# Allegro board balenaFin-PCB.brd (continued)
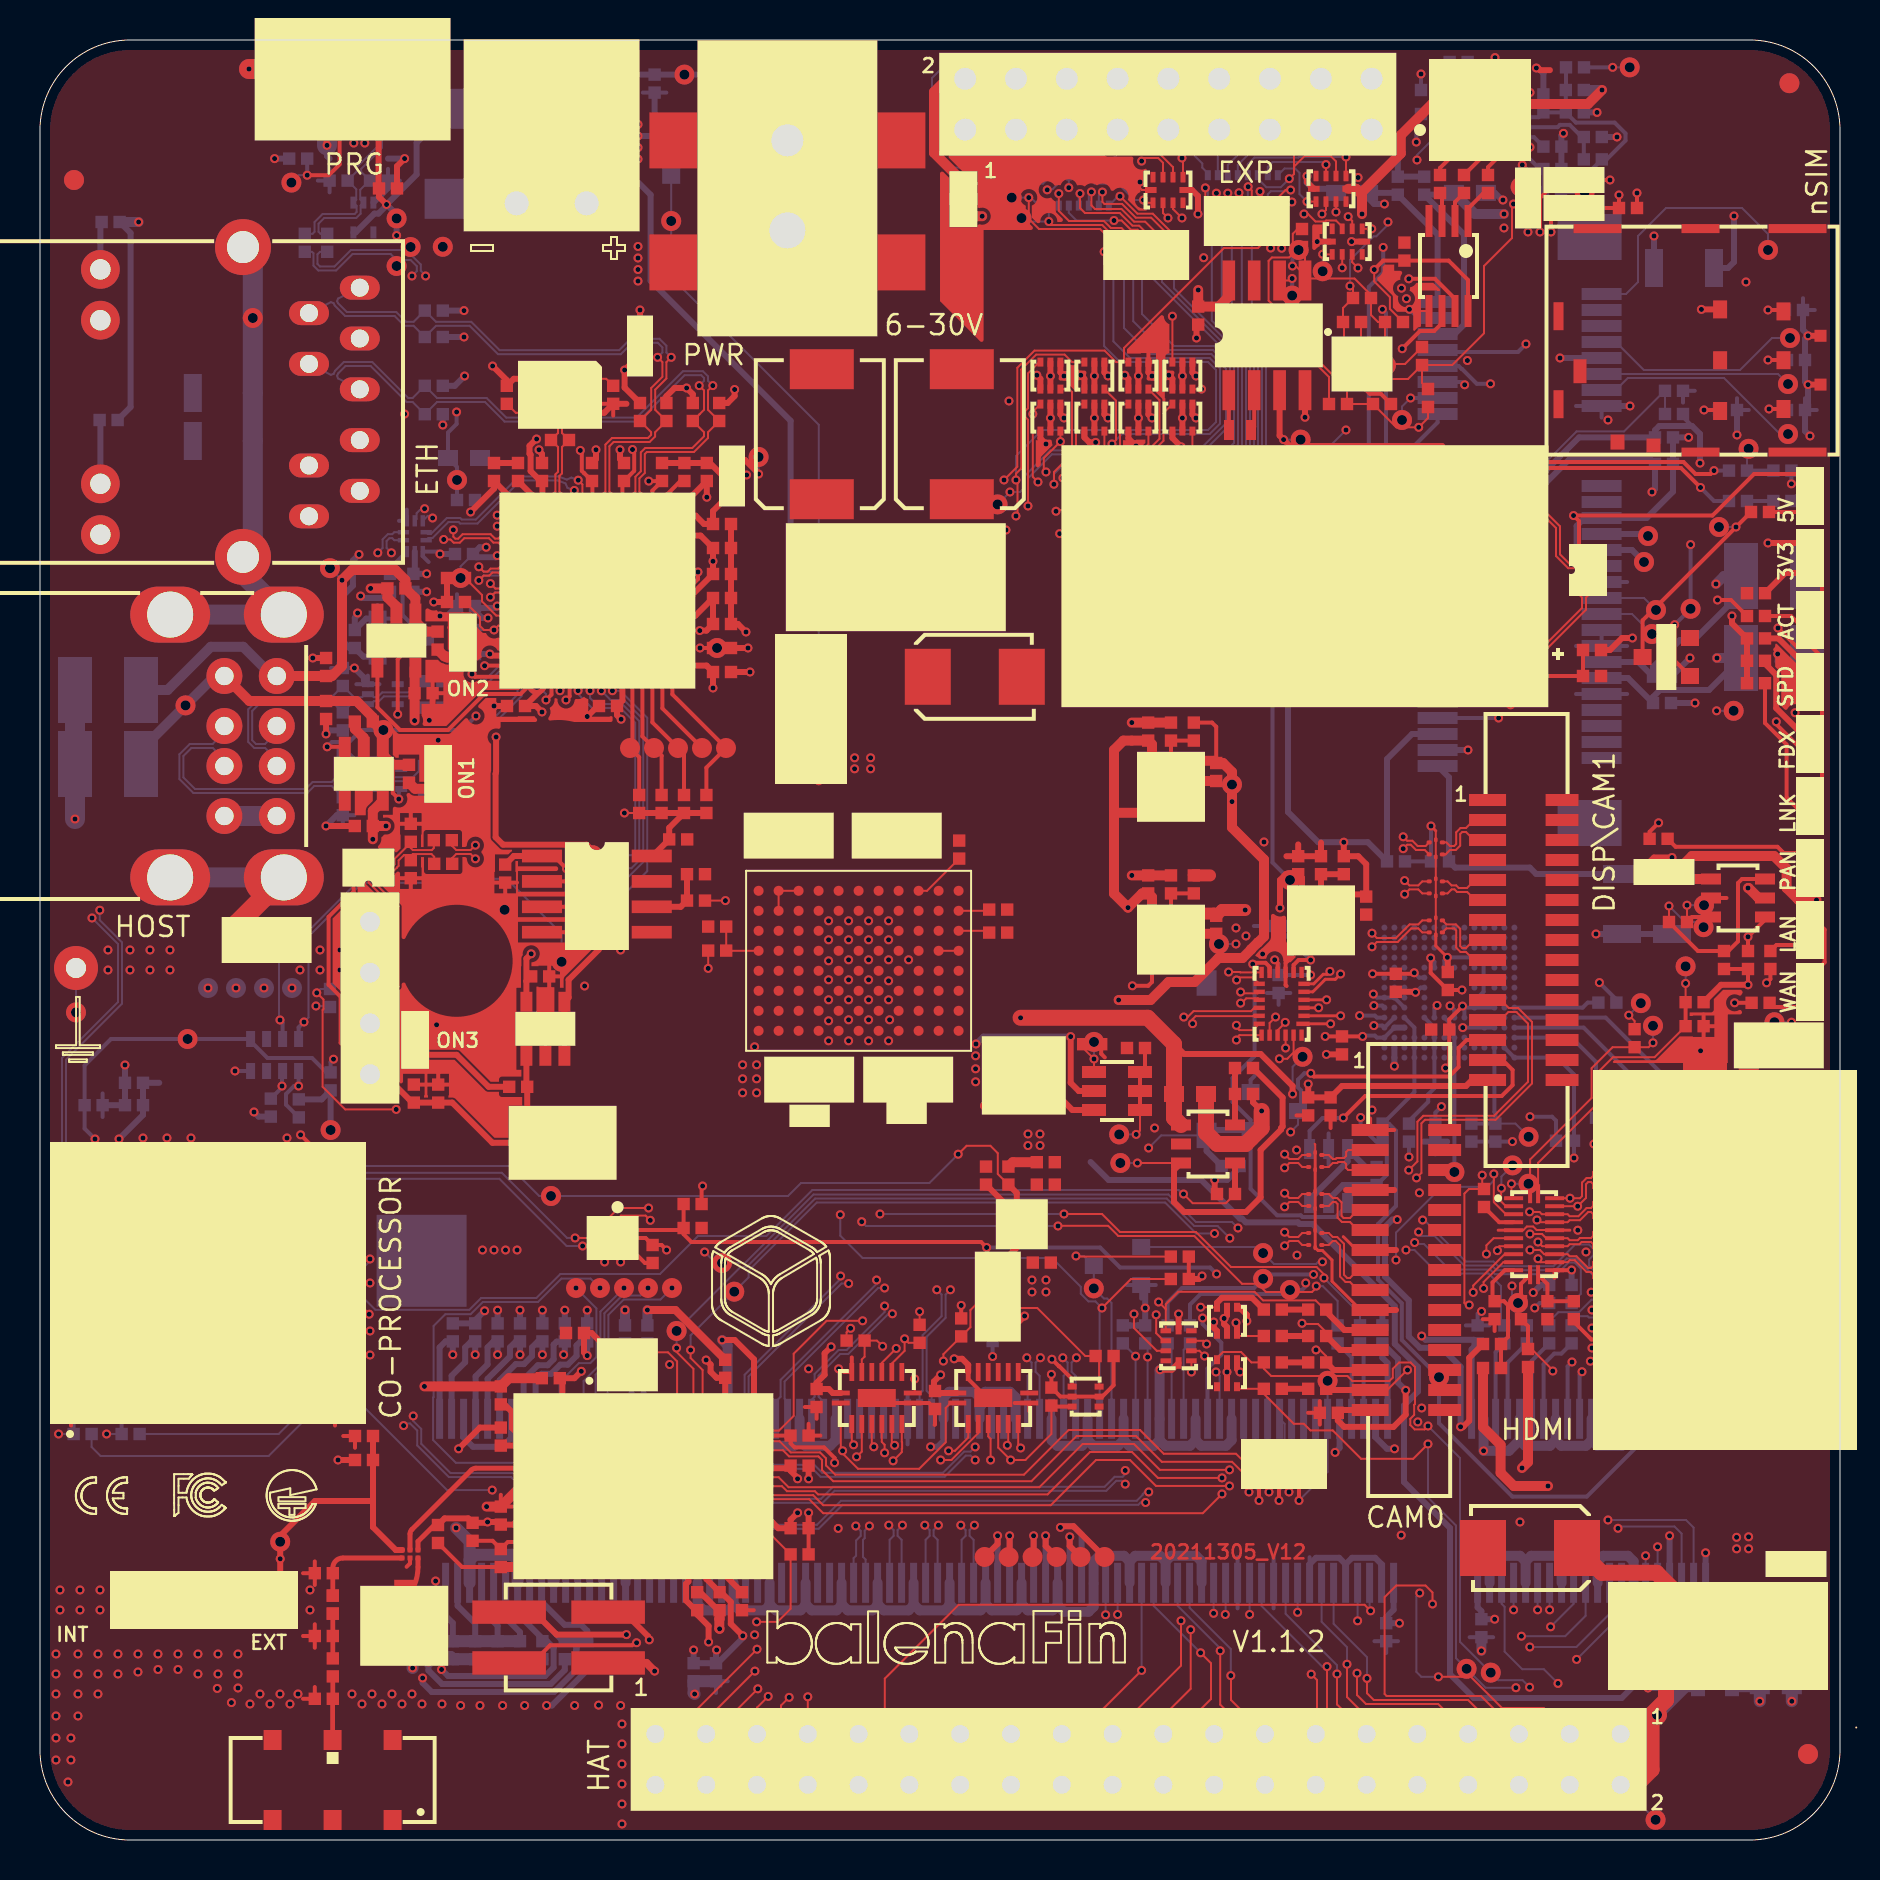
[diagram p0: board, top side]
## Placement (name value [footprint] x y rotation side) (continued)
NOREF#1618  -  []  46.73 14.15 0 top
NOREF#1619  -  []  13.25 36.72 90 top
NOREF#1620  -  []  86.56 60.89 90 top
NOREF#1621  -  []  62.29 83.74 0 top
NOREF#1622  -  []  1.68 20.3 0 top
NOREF#1623  -  []  66 46.58 0 top
NOREF#1624  -  []  18.78 14.62 0 top
NOREF#1625  -  []  18.91 56.93 0 top
NOREF#1626  -  []  34.62 45.36 90 top
NOREF#1627  -  []  19.53 56.31 90 top
NOREF#1628  -  []  63.8 17.8 0 top
NOREF#1629  -  []  74.55 83.95 90 top
NOREF#1630  -  []  18.89 52.69 0 top
NOREF#1631  -  []  16.09 57.64 0 top
NOREF#1632  -  []  77.5 87.19 90 top
NOREF#1633  -  []  33.65 67.64 90 top
NOREF#1634  -  []  12.9 19.95 0 top
NOREF#1635  -  []  1.75 53.8 0 top
NOREF#1636  -  []  19.56 53.71 0 top
NOREF#1637  -  []  84.87 9.92 0 top
NOREF#1638  -  []  83.25 79.55 0 top
NOREF#1639  -  []  77.88 80.57 0 top
NOREF#1640  -  []  59.75 37.3 0 top
NOREF#1641  -  []  26.4 72.48 90 top
NOREF#1642  -  []  19.88 59.52 90 top
NOREF#1643  -  []  64.14 78.94 0 top
NOREF#1644  -  []  131.13 6.6 90 top
NOREF#1645  -  []  64.14 72.11 0 top
NOREF#1646  -  []  66.65 71.8 0 top
NOREF#1647  -  []  61.5 24.89 90 top
NOREF#1648  -  []  27.1 71.36 90 top
NOREF#1649  -  []  31.67 78.88 90 top
NOREF#1650  -  []  86.25 46.15 90 top
NOREF#1651  -  []  82.74 10.14 90 top
NOREF#1652  -  []  79.07 61.12 90 top
NOREF#1653  -  []  76.61 88.32 90 top
NOREF#1654  -  []  10.3 38.05 0 top
NOREF#1655  -  []  16.5 82.97 0 top
NOREF#1656  -  []  63.41 22.56 0 top
NOREF#1657  -  []  23.83 81.83 0 top
NOREF#1658  -  []  57.6 76.08 0 top
NOREF#1659  -  []  57.91 23.48 0 top
NOREF#1660  -  []  13.74 13.34 0 top
NOREF#1661  -  []  73.08 35.51 90 top
NOREF#1662  -  []  67.12 24.83 90 top
NOREF#1663  -  []  47.93 14.15 0 top
NOREF#1664  -  []  87.35 54.4 0 top
NOREF#1665  -  []  80.05 21.12 90 top
NOREF#1666  -  []  86.5 13.4 90 top
NOREF#1667  -  []  82.08 76.02 0 top
NOREF#1668  -  []  44.78 49.27 90 top
NOREF#1669  -  []  66.83 32.75 90 top
NOREF#1670  -  []  15.38 82.5 0 top
NOREF#1671  -  []  16.67 80.38 90 top
NOREF#1672  -  []  35.91 86.15 90 top
NOREF#1673  -  []  39.14 21.34 90 top
NOREF#1674  -  []  61.39 81.74 0 top
NOREF#1675  -  []  23.9 67.95 90 top
NOREF#1676  -  []  77.19 84.03 0 top
NOREF#1677  -  []  59.7 24.24 0 top
NOREF#1678  -  []  84.36 71.37 90 top
NOREF#1679  -  []  22.06 60.19 90 top
NOREF#1680  -  []  37.22 20.53 0 top
NOREF#1681  -  []  47.66 37.26 90 top
NOREF#1682  -  []  43.24 56.76 90 top
NOREF#1683  -  []  75.48 84.36 90 top
NOREF#1684  -  []  83.95 71.5 0 top
NOREF#1685  -  []  70 82.35 90 top
NOREF#1686  -  []  14.3 56.05 90 top
NOREF#1687  -  []  16.57 53.55 0 top
NOREF#1688  -  []  23.04 21.78 90 top
NOREF#1689  -  []  14.13 85.45 90 top
NOREF#1690  -  []  23.77 41.41 0 top
NOREF#1691  -  []  65.65 77.1 0 top
NOREF#1692  -  []  18.23 16.96 90 top
NOREF#1693  -  []  81.84 71.61 0 top
NOREF#1694  -  []  64.76 71.49 90 top
NOREF#1695  -  []  81.96 68.5 90 top
NOREF#1696  -  []  75.77 26.54 90 top
NOREF#1697  -  []  7.55 22.2 0 top
NOREF#1698  -  []  72.73 61.12 90 top
NOREF#1699  -  []  81.25 72.46 0 top
NOREF#1700  -  []  52.22 72.55 90 top
NOREF#1701  -  []  63.72 24.89 90 top
NOREF#1702  -  []  55.3 53.54 0 top
NOREF#1703  -  []  30.06 26.04 0 top
NOREF#1704  -  []  12.29 63.76 90 top
NOREF#1705  -  []  18.23 16.96 0 top
NOREF#1706  -  []  -10.42 64.58 90 top
NOREF#1707  -  []  50.26 22.03 0 top
NOREF#1708  -  []  56.07 26.04 0 top
NOREF#1709  -  []  62.24 42.04 90 top
NOREF#1710  -  []  26.24 9.04 90 top
NOREF#1711  -  []  14.05 80.62 0 top
NOREF#1712  -  []  52.22 70.44 0 top
NOREF#1713  -  []  79.68 58.75 90 top
NOREF#1714  -  []  7.19 71.4 90 top
NOREF#1715  -  []  46.26 85.52 0 top
NOREF#1716  -  []  75.17 83.55 0 top
NOREF#1717  -  []  65.2 73.05 0 top
NOREF#1718  -  []  46.99 33.98 0 top
NOREF#1719  -  [unnamed#4]  20.83 43.96 180 bottom
Q1  BSS138  [SOT23]  55.06 29.65 0 bottom
Q2  BSS138  [SOT23]  35.91 88.05 0 bottom
Q3  BSS138  [SOT23]  31.56 83.21 180 bottom
Q6  BSS138  [SOT23]  16.88 59.17 180 bottom
Q13  BSS138  [SOT23]  82.5 58.2 0 top
Q14  SISS27DN-T1-GE3  [POWERVDFN8-0330X0330]  49.19 38.23 270 top
Q15  DMMT5401-7-F  [SOT23-6L]  55 36.5 90 top
Q16  FDC6327C  [SOT23-6-DBV]  84.9 47.1 90 top
Q17  FDC6327C  [SOT23-6-DBV]  58.4 34.8 90 top
Q18  PMGD280UN  [SOT363]  66.1 73.8 0 top
Q20  FDC6327C  [SOT23-6-DBV]  64.43 33.2 180 bottom
Q21  DMN3053L-7  [SOT23]  60.53 35.5 180 bottom
R1  2.49k  [RS-0402]  79.1 9.59 270 bottom
R2  0R  [RS-0402]  82.73 41.89 0 top
R3  2.49k  [RS-0402]  81.16 10.57 180 bottom
R4  2.49k  [RS-0402]  82.74 10.59 270 bottom
R5  2.49k  [RS-0402]  83.86 10.59 270 bottom
R6  0R  [RS-0402]  79.73 40.09 270 top
R7  100k  [RS-0402]  76.58 27.3 270 bottom
R8  0R  [RS-0402]  76.58 25.28 90 bottom
R9  0R  [RS-0402]  75.46 25.28 90 bottom
R10  100k  [RS-0402]  75.46 27.3 270 bottom
R11  0R  [RS-0402]  74.34 25.28 90 bottom
R12  0R  [RS-0402]  73.22 25.28 90 bottom
R13  0R  [RS-0402]  72.2 32.1 270 top
R14  0R  [RS-0402]  66 25.28 90 bottom
R15  0R  [RS-0402]  64.88 25.28 90 bottom
R16  0R  [RS-0402]  74.05 26.49 90 top
R17  0R  [RS-0402]  57.5 25.28 90 bottom
R18  100k  [RS-0402]  55.26 25.28 270 bottom
R19  0R  [RS-0402]  56.38 25.28 90 bottom
R20  100k  [RS-0402]  54.14 25.28 270 bottom
R21  100k  [RS-0402]  56.99 29.17 0 top
R22  100k  [RS-0402]  56.99 28.05 0 top
R23  100R  [RS-0402]  40.78 24.97 180 top
R24  100R  [RS-0402]  46.06 25.63 270 top
R25  100R  [RS-0402]  43.98 25.31 90 top
R26  100R  [RS-0402]  47.63 25.4 270 bottom
R28  10k  [RS-0402]  30.37 25.28 90 bottom
R29  10k  [RS-0402]  29.25 25.28 90 bottom
R31  470R  [RS-0402]  85.8 61.2 0 top
R32  1k  [RS-0402]  30.73 87.82 90 bottom
R35  24.9k  [RS-0402]  57.69 55.42 90 top
R37  10k  [RS-0402]  56.55 55.42 270 top
R42  12.4k  [RS-0402]  57.69 47.78 90 top
R46  10k  [RS-0402]  56.55 47.78 270 top
R49  8.66k  [RS-0402]  65.19 48.74 90 top
R52  10k  [RS-0402]  64.05 48.74 270 top
R66  1k  [RS-0402]  86 66.4 0 top
R67  470R  [RS-0402]  85.8 62.34 0 top
R81  100R  [RS-0402]  63.86 26.52 180 top
R82  100R  [RS-0402]  61.64 26.52 180 top
R83  100R  [RS-0402]  63.86 25.2 180 top
R84  100R  [RS-0402]  61.64 25.2 180 top
R85  100R  [RS-0402]  63.86 23.88 180 top
R86  100R  [RS-0402]  61.64 23.88 180 top
R87  100R  [RS-0402]  63.86 22.56 180 top
R88  100R  [RS-0402]  61.64 22.56 180 top
R91  0R  [RS-0402]  19.65 53.7 180 bottom
R92  0R  [RS-0402]  19.65 52.38 180 bottom
R96  1M  [RS-1206]  9.14 72.35 0 bottom
R108  0R  [RS-0402]  19.67 56.62 180 bottom
R109  0R  [RS-0402]  19.67 57.94 180 bottom
R113  47k  [RS-0402]  17.5 62.86 90 bottom
R114  0R  [RS-0402]  13.24 79.86 90 bottom
R115  0R  [RS-0402]  14.36 79.86 90 bottom
R116  1k  [RS-0402]  15.74 60.05 270 bottom
R117  1M  [RS-1206]  12.85 85.97 180 bottom
R118  10k  [RS-0402]  14.53 37.93 270 bottom
R119  240R  [RS-0402]  72.4 82.8 270 top
R121  200R  [RS-0402]  71.2 82.8 270 top
R123  200R  [RS-0402]  70 82.8 270 top
R128  10k  [RS-0402]  12.94 36.58 90 bottom
R132  10k  [RS-0402]  11.54 36.62 270 bottom
R133  49.9k  [RS-0402]  68.45 35.37 270 bottom
R134  10k  [RS-0402]  67.13 35.37 270 bottom
R135  49.9k  [RS-0402]  76.25 34.96 180 bottom
R136  49.9k  [RS-0402]  80.62 35.67 180 bottom
R137  49.9k  [RS-0402]  79.85 37.65 0 bottom
R138  49.9k  [RS-0402]  78.25 36.12 0 bottom
R139  0R  [RS-0402]  78.37 41.87 180 bottom
R140  0R  [RS-0402]  69.77 35.37 90 bottom
R142  NU  [RS-0402]  84.9 68.47 0 bottom
R143  NU  [RS-0402]  87.12 68.47 0 bottom
R144  NU  [RS-0402]  84.9 66.95 0 bottom
R145  NU  [RS-0402]  87.12 66.95 0 bottom
R146  330R  [RS-0402]  86.03 41.86 0 top
R147  330R  [RS-0402]  86.52 44 90 top
R148  330R  [RS-0402]  80.93 50.06 0 top
R153  NU  [RS-0402]  12.91 84.07 0 bottom
R162  49.9R  [RS-0402]  31.32 71.4 90 top
R163  49.9R  [RS-0402]  30 71.4 90 top
R164  49.9R  [RS-0402]  33.96 71.4 90 top
R165  49.9R  [RS-0402]  32.64 71.4 90 top
R169  NU  [RS-0402]  32.8 46.97 0 top
R170  10k  [RS-0402]  23.26 48.32 90 top
R171  0R  [RS-0402]  32.8 48.29 180 top
R174  470R  [RS-0402]  85.8 60.08 180 top
R175  470R  [RS-0402]  85.8 57.84 180 top
R177  470R  [RS-0402]  85.8 58.96 180 top
R180  100k  [RS-0402]  48.42 33.22 90 top
R182  100R  [RS-1206]  47.89 27.17 270 top
R183  0R  [RS-0402]  80.5 8.97 90 bottom
R184  NU  [RS-0402]  81.62 8.97 90 bottom
R185  22R  [RS-0603]  76.7 81.6 0 top
R186  22R  [RS-0603]  76.7 83 0 top
R187  22R  [RS-0603]  74.4 82.1 90 top
R188  15k  [RS-0402]  79.4 81.6 0 top
R200  10R  [RS-0402]  21.3 67 0 bottom
R201  12k  [RS-0402]  23.9 68.4 90 top
R202  12.4k  [RS-0402]  32.22 68.4 90 top
R203  10k  [RS-0402]  34.1 59.6 0 top
R204  1M  [RS-0402]  26 70 180 top
R205  10k  [RS-0402]  20.8 61.9 180 top
R206  10k  [RS-0402]  33.32 51.8 270 top
R207  10k  [RS-0402]  32.2 51.8 270 top
R208  10k  [RS-0402]  31.08 51.8 270 top
R209  10k  [RS-0402]  29.96 51.8 270 top
R210  1k  [RS-0402]  18.45 53.31 90 top
R211  1k  [RS-0402]  19.88 59.97 90 top
R212  1k  [RS-0402]  20.8 63.1 180 top
R218  10k  [RS-0402]  37.98 14.28 180 top
R219  10k  [RS-0402]  23.04 20.17 270 top
R220  10k  [RS-0402]  21.63 15.41 270 top
R221  NU  [RS-0402]  23.04 14.1 90 top
R222  NU  [RS-0402]  23.04 22.23 270 top
R224  0R  [RS-0402]  14.64 11.77 270 top
R229  0R  [RS-0402]  77.64 85.15 180 bottom
R230  NU  [RS-0402]  77.64 84.03 0 bottom
R231  0R  [RS-0402]  75.62 84.67 180 bottom
R232  0R  [RS-0402]  75.62 83.55 180 bottom
R233  NU  [RS-0402]  76.75 88.63 180 bottom
R234  NU  [RS-0402]  75.6 82.4 0 bottom
R235  0R  [RS-0402]  76.74 86.38 0 bottom
R236  NU  [RS-0402]  76.74 87.5 0 bottom
R237  0R  [RS-0402]  28.46 86.28 180 bottom
R240  10k  [RS-0402]  16.2 19 180 top
R243  0R  [RS-0402]  72.6 24.8 0 top
R244  NU  [RS-0402]  72.6 23.6 0 top
R245  10k  [RS-0402]  74.4 24.1 90 top
R246  10k  [RS-0402]  81.7 71.3 0 bottom
R247  NU  [RS-0402]  81.7 72.46 180 bottom
R248  10k  [RS-0402]  77.6 59.5 0 top
R249  0R  [RS-0402]  69.5 86.3 0 bottom
R250  0R  [RS-0402]  69.5 87.5 0 bottom
R252  47.5k  [RS-0402]  47.91 45.37 180 top
R253  NU  [RS-0402]  33.86 44.47 180 top
R254  NU  [RS-0402]  33.86 45.67 0 top
R260  47k  [RS-0402]  52.61 39.79 180 top
R262  10k  [RS-0402]  54.8 39.6 0 top
R263  29.4K  [RS-0402]  45.96 49.52 90 top
R264  78.7K  [RS-0402]  47.91 46.52 180 top
R267  NU  [RS-0603]  81.2 48.4 0 top
R268  NU  [RS-0603]  57.5 37.3 180 top
R269  1k  [RS-0402]  81.9 45.9 0 top
R270  2.2k  [RS-0402]  60.2 38.6 0 top
R271  10k  [RS-0402]  84.2 44 270 top
R272  10k  [RS-0402]  60.2 37.3 0 top
R273  10k  [RS-0402]  85.4 44 270 top
R274  10k  [RS-0402]  59.3 32.3 180 top
R275  NU  [RS-0402]  16.2 20.2 0 top
R282  2.49k  [RS-0402]  69.1 74.2 270 top
R283  2.49k  [RS-0402]  65.6 75.9 0 top
R284  NU  [RS-0402]  64.9 71.8 180 top
R285  NU  [RS-0402]  63.1 80.1 270 top
R286  NU  [RS-0402]  66.1 77.1 180 top
R287  NU  [RS-0402]  69.4 72.1 270 top
R288  2.49k  [RS-0402]  67.1 71.8 0 top
R289  2.49k  [RS-0402]  67.7 75.9 180 top
R293  0R  [RS-0402]  14.5 42.1 270 bottom
R294  1k  [RS-0402]  23.91 37.66 0 top
R295  0R  [RS-0402]  20.16 48.81 180 top
R296  0R  [RS-0402]  20.14 49.99 180 top
R297  NU  [RS-0402]  32.63 31.8 0 top
R298  10k  [RS-0402]  32.63 30.6 180 top
R307  470R  [RS-0402]  3.53 80.9 0 bottom
R308  470R  [RS-0402]  3.43 71 180 bottom
R309  0R  [RS-0402]  61.73 45.7 0 bottom
R311  NU  [RS-0402]  70.93 88.9 0 bottom
R312  0R  [RS-0402]  2.13 21.6 180 bottom
R313  0R  [RS-0402]  4.53 21.6 180 bottom
R314  NU  [RS-0402]  4.53 20.3 0 bottom
R315  NU  [RS-0402]  2.13 20.3 180 bottom
R316  2.2k  [RS-0402]  66.83 33.2 270 bottom
R317  2.2k  [RS-0402]  59.53 33.7 180 bottom
R318  2.49k  [RS-0402]  50.57 22.17 270 top
R319  2.49k  [RS-0402]  53.23 24.2 180 top
RR2  100R/5%  [RR-8X-1506]  60.14 82.49 180 bottom
RR3  100R/5%  [RR-8X-1506]  60.34 80.95 0 top
RR4  49.9R  [RR-1206]  12.93 38.45 180 bottom
RR13  100R/5%  [RR-8X-1506]  55.31 79.25 0 top
RR14  100R/5%  [RR-8X-1506]  51.69 82.47 180 bottom
RR15  10k/5%  [RR-8X-1506]  62.2 18.8 0 top
TP1  TPS  [TPS-0100]  53.23 14.15 0 top
TP2  TPS  [TPS-0100]  52.03 14.15 0 top
TP3  TPS  [TPS-0100]  50.83 14.15 0 top
TP4  TPS  [TPS-0100]  49.63 14.15 0 top
TP5  TPS  [TPS-0100]  48.43 14.15 0 top
TP6  TPS  [TPS-0100]  47.23 14.15 0 top
TP21  TPT  [TPT-0100]  1.8 43.6 0 top
TP41  TPS  [TPS-0100]  70.72 33.4 180 bottom
TP46  TPS  [TPS-0100]  86.4 79.5 180 bottom
TP47  TPS  [TPS-0100]  87.4 72.8 180 bottom
TP49  TPS  [TPS-0100]  87.4 70.3 180 bottom
TP50  TPS  [TPS-0100]  87.5 75.1 180 bottom
TP55  TPS  [TPS-0100]  80.4 65.2 180 bottom
TP56  TPS  [TPS-0100]  80.2 63.9 180 bottom
TP57  TPS  [TPS-0100]  80.8 61.5 180 bottom
TP58  TPS  [TPS-0100]  80.6 60.3 180 bottom
TP59  TPS  [TPS-0100]  31.6 27.6 0 top
TP60  TPS  [TPS-0100]  30.4 27.6 0 top
TP61  TPS  [TPS-0100]  29.2 27.6 0 top
TP62  TPS  [TPS-0100]  28 27.6 0 top
TP63  TPS  [TPS-0100]  26.8 27.6 0 top
TP64  TPS  [TPS-0100]  62.5 48 180 bottom
TP65  TPS  [TPS-0100]  29.5 54.6 0 top
TP66  TPS  [TPS-0100]  30.7 54.6 0 top
TP67  TPS  [TPS-0100]  31.9 54.6 0 top
TP68  TPS  [TPS-0100]  33.1 54.6 0 top
TP69  TPS  [TPS-0100]  34.3 54.6 0 top
TP70  TPS  [TPS-0100]  12.6 42.6 180 bottom
TP71  TPS  [TPS-0100]  11.2 42.6 180 bottom
TP72  TPS  [TPS-0100]  9.8 42.6 180 bottom
TP84  TPS  [TPS-0100]  8.4 42.6 180 bottom
TVS1  SMBJ36A  [SMB]  44.39 58.16 0 top
TVS2  TPD6E001RSER  [UFQFN10]  56.93 24.71 90 top
TVS3  TPD3E001DRLR  [SOP5]  17.32 53.05 0 bottom
TVS4  TPD3E001DRLR  [SOP5]  17.14 57.29 0 bottom
TVS5  TPD3E001DRLR  [SOP5]  16.17 81.12 270 bottom
TVS6  TPD6E001RSER  [UFQFN10]  56.4 82.5 0 top
TVS7  TPD6E001RSER  [UFQFN10]  65.36 79.92 0 top
TVS15  SM2T3V3A  [D-DO216AA]  88.12 10.29 180 bottom
TVS16  SM6T6V8A  [SMB]  76.85 14.6 180 top
TVS17  TPD3E001DRLR  [SOP5]  77.45 63.5 90 top
TVS18  TPD6E001RSER  [UFQFN10]  64.55 82.56 0 top
TVS19  TPD3E001DRLR  [SOP5]  16.42 48.67 180 top
U1  TPD12S016RKTR  [UFQFN24-4X2]  74.7 30.29 270 top
U2  LD39050PUR  [IC-LD39050]  56.55 52.66 0 top
U5  LD39050PUR  [IC-LD39050]  56.55 45.02 0 top
U6  LD39050PUR  [IC-LD39050]  64.05 45.98 0 top
U10  TPS2051CDBVR  [SOT23-5]  17.14 54.66 180 top
U12  TPS2051CDBVR  [SOT23-5]  18.77 61.32 180 top
U13  FSUSB42UMX  [UMLP10]  18.74 65.19 0 bottom
U17  SDINBDG4-8G-I  [VFBGA153]  70.47 42.37 90 bottom
U19  93AA66CT-I/SN  [SOIC8]  25.1 49.2 270 top
U20  AP22800HB-7  [UFDFN8-EXP-0210X0160]  49.09 30.79 180 top
U22  LAN9514I-JZX  [IC-LAN9514]  27.87 62.47 0 top
U23  DS1307ZN+  [SOIC8]  59.44 72.49 0 top
U25  PCA9554BS3-118  [QFN16-EXP-3X3]  72.66 85.89 0 bottom
U26  BGS12SN6E6327XTSA1  [XFDFN6]  18.5 14.3 180 top
U28  TPS2051CDBVR  [SOT23-5]  24.32 39.21 0 top
U29  FSUSB42UMX  [UMLP10]  28.63 30.1 270 top
U30  PCA9633DP1  [MSOP8]  70.4 78.65 270 top
U31  FSA642UMX  [UFQFN24-0250X0340]  62.08 41.81 180 top
U32  74CBTLV3257BQ  [VFQFN16-EXP-0250X0300]  41.84 22.1 0 top
U33  74CBTLV3257BQ  [VFQFN16-EXP-0250X0300]  47.66 22.1 0 top
U34  LTM8024  [BGA-88-ROUND]  40.93 43.96 270 top
Y2  25MHz  [Y-ABM8G]  26 72.26 180 top
Y4  ABS05-32.768KHZ-T  [Y-ABS05]  60 70.5 180 top
Y5  NZ2520SB-32.768KHZ-NSA3534C  [Y-NZ2520S]  29.37 23.76 0 top

## Library data of the parts
ANT1 = ANT - AH104N2450D1-T - 2.4G-5G: room: WIFI-BLUETOOTH
BAT1 = PORTA BATTERIA - SMTU1225-LF: room: RTC
C1 = CS-C-0402-10n/50V: room: CM3L
C2 C5 C7 C14 C16 C18 C20 C22 C24 C26 = CS-C-0402-10u/6V3-X5R: room: CM3L
C3 C9 C10 = CS-C-0402-100n/16V: room: HDMI
C4 C6 C13 C15 C17 C19 C21 C23 C25 = CS-C-0402-100n/16V: room: CM3L
C8 = CS-C-1206-10n/1kV: room: HDMI
C11 C12 C243-C245 = CS-C-0402-100n/16V: room: DISPLAY DSI
C27 C28 = CS-C-0402-1u/16-X5R: room: POWER 2V8
C39 C40 = CS-C-0402-1u/16-X5R: room: POWER 1V8
C42 C43 = CS-C-0402-1u/16-X5R: room: POWER 1V5
C60 C201 = CS-C-0402: room: WIFI-BLUETOOTH
C61 = CS-C-0402-100n/16V: room: CAMERA CSI
C63 C64 C70 C235 C236 C239 = CS-C-0402-100n/16V: room: USB HOST 1
C68 C69 C237 C238 = CS-C-0402: room: USB HOST 1
C71 = CS-C-1206-10n/1kV: room: USB HOST 1
C75 C76 C79 = CS-C-0402-100n/16V: room: USB HOST 2
C77 C78 = CS-C-0402: room: USB HOST 2
C85 C241 = CS-C-0402-100n/16V: room: SWITCH USB
C86 C87 = CS-C-0402: room: USB BOOT
C88 = CS-C-0402-100n/16V: room: USB BOOT
C89 = CS-C-1206-10n/1kV: room: USB BOOT
C91 C92 = CS-C-0402-100n/16V: room: ARTIK 020
C93 = CS-C-0402-10u/6V3-X5R: room: ARTIK 020
C107 = CS-C-0402-1u/16-X5R: room: eMMC
C108 C109 C111 = CS-C-0402-100n/16V: room: eMMC
C110 C112 = CS-C-0402-2.2u/6V3-X5R: room: eMMC
C113 C114 = CS-C-0603-10u/10V-X5R: room: CONNETTORE HAT
C115 C116 = CS-C-0603-10u/10V-X5R: room: mPCIE
C117-C124 C211 = CS-C-0402-100n/16V: room: mPCIE
C134 = CS-C-1206-10n/1kV: room: ETHERNET+HUB USB
C135 = CS-C-0603-22n/50V: room: ETHERNET+HUB USB
C136-C139 = CS-C-0402-15p/50V-NP0: room: ETHERNET+HUB USB
C140 C170-C183 C186 = CS-C-0402-100n/16V: room: ETHERNET+HUB USB
C147 C148 = CS-C-0402-33p/50V-C0G: room: ETHERNET+HUB USB
C149 = CS-C-0402-1u/16-X5R: room: SWITCH-PW-3V3
C150 C151 = CS-C-0402-10u/6V3-X5R: room: SWITCH-PW-3V3
C152 C242 C246 C247 = CS-C-0402-100n/16V: room: SWITCH-PW-3V3
C153-C156 = CS-C-0402-33p/50V-C0G: room: NANO-SIM
C184 = CS-C-0402-4.7u/6V3-X5R: room: ETHERNET+HUB USB
C185 = CS-C-0402-1u/16-X5R: room: ETHERNET+HUB USB
C187 = CS-C-0402-10n/50V: room: ETHERNET+HUB USB
C188 = CS-C-0402-100n/16V: room: RTC
C189-C199 = CS-C-0402-10u/6V3-X5R: room: WIFI-BLUETOOTH
C202 = CS-C-0402-0.6p/50V-C0G: room: WIFI-BLUETOOTH
C204 = CS-C-0402-100n/16V: room: IO-EXPANDER
C205 C206 = CS-C-1210-100u/10V-X5R: room: mPCIE
C207-C209 = CS-C-1206-22u/25V-X5R: room: mPCIE
C210 = CS-C-0402-100n/16V: room: WIFI-BLUETOOTH
C222 C224 C227 C230 = CS-C-1206-22u/25V-X5R: room: POWER 5V-3V3
C231 = CS-C-0402-10n/50V: room: WIFI-BLUETOOTH
C232 = CS-C-1210-100u/10V-X5R: room: USB HOST 2
C234 C240 = CS-C-1210-100u/10V-X5R: room: USB HOST 1
DS1 = DIODO4x - BAV99BRVA-7 -0.2A/75V: room: DISPLAY DSI
DS2 DS3 = SCHOTTKY-CDBC560-G - 5A/60V: room: POWER IN
DS4 DS5 = DIODO4x - BAV99BRVA-7 -0.2A/75V: room: CAMERA CSI
DS7-DS10 DS25-DS28 = DIODO4x - BAV99BRVA-7 -0.2A/75V: room: MCU CONNECTOR
DS32 DS33 = SCHOTTKY-MBRA160 - 1A/60V: room: POWER IN
DSW1 = DIP-SW-1x-CHS-01TB-SMD: room: WIFI-BLUETOOTH
DSW2 = DIP-SW-1x-CHS-01TB-SMD
F1 F4 = RAPIDO - 0154003.DR - 3A/125V: room: POWER IN
F2 = PTC - 0ZCM0010FF2G - 0.1A/15V: room: MCU CONNECTOR
F3 = PTC - MF-FSMF050X-2 -0.5A/6V
FID1-FID6 = FIDUCIAL
J1 = HDMI - J-19-0050-FOS-HDMI-A-CNC: room: HDMI
J2 = SODIMM - CM3L - 1473005-4: room: CM3L
J3 = FPC-ZIF - J-15X2-0100-FDS-ZIF: room: DISPLAY DSI
J7 = JACK-PW - J-CUPJ002AH: room: POWER IN
J9 = UFL - U-FL-R-SMT-1-10: room: WIFI-BLUETOOTH
J10 = FPC-ZIF - J-15X2-0100-FDS-ZIF: room: CAMERA CSI
J11 = USB - J-8-0200-FOT-USB-A-2X: room: USB HOST 1
J13 = USB - MICROUSB-B-FCI10118192: room: USB BOOT
J14 = STRIP-J-9X2-0254-MDT: room: MCU CONNECTOR
J18 = STRIP-J-20X2-0254-MDT: room: CONNETTORE HAT
J19 = mPCIE - J-26X2-0080-FOS-2041119: room: mPCIE
J20 = RJ45-POE+ - 7499410213
J21 = MC - J-2-0350-MOT-MC: room: POWER IN
J22 = NANOSIM - J-NANOSIM-SF72S006VBA: room: NANO-SIM
J23 = STRIP-J-4-0254-MDT
J24 = STRIP-J-2X2-0254-MDS-TSM
L1 = FIL-BLM15PX121SN1D- 120R/2A: room: HDMI
L2-L4 L11-L13 = LCFE080602G900TG_1
L10 = L - L-07C2N2SV6T-2.2n/0.3A: room: WIFI-BLUETOOTH
L20 L21 = FIL-BLM18PG121SN1D-120R/2A: room: ETHERNET+HUB USB
L22 = L - L-07C1N8SV6T-1.8n/0.3A: room: WIFI-BLUETOOTH
LD4 LD5 = LED R - GENERICO - 0603: room: POWER LED
LD8 = LED RGB - ASMT-YTB7-0AA02: room: LED RGB
LD9-LD11 = LED V - GENERICO - 0603
LD12 LD14 = LED V - GENERICO - 0603: room: ETHERNET+HUB USB
LD13 = LED G - KPT-1608YC - 0603: room: ETHERNET+HUB USB
LD15 LD18 = LED V - GENERICO - 0603: room: USB HOST 1
LD16 = LED V - GENERICO - 0603: room: USB HOST 2
LD17 = LED V - GENERICO - 0603: room: CM3L
MOD1 = WIFI-BLE - WYSBHVGXG: room: WIFI-BLUETOOTH
MOD2 = ARTIK - 020: room: ARTIK 020
Q1 Q13 = NMOS - BSS138 - 0.2A/50V: room: HDMI
Q2 Q3 = NMOS - BSS138 - 0.2A/50V: room: CM3L
Q6 = NMOS - BSS138 - 0.2A/50V: room: SWITCH USB
Q14 = PMOS - SISS27DN - 23A/30V: room: POWER 5V-3V3
Q15 = PNPPNP - DMMT5401-7-F-0.2A/150V: room: POWER 5V-3V3
Q16 = N-P MOS-FDC6327C-2.7A/1.9A/20V: room: SWITCH-PW-LED
Q17 = N-P MOS-FDC6327C-2.7A/1.9A/20V: room: SWITCH-PW-5V
Q18 = NMOS-2X - PMGD280UN - 0.87A/20V: room: I2C-ISOLATOR
Q20 = N-P MOS-FDC6327C-2.7A/1.9A/20V
Q21 = NMOS - DMN3053L-7 - 4A/30V
R1 R3-R5 R318 R319 = RS-0402-2.49k: room: CM3L
R2 R6 R8 R9 R11-R17 R19 R183 R237 R243 R293 = RS-0402-0r: room: CM3L
R7 R10 R18 R20 = RS-0402-100k: room: CM3L
R21 R22 = RS-0402-100k: room: HDMI
R23-R26 = RS-0402-100r: room: DISPLAY DSI
R28 R29 = RS-0402-10k: room: CM3L
R31 = RS-0402-470r: room: CM3L
R32 R66 R116 = RS-0402-1k: room: POWER LED
R35 = RS-0402-24.9k: room: POWER 2V8
R37 = RS-0402-10k: room: POWER 2V8
R42 = RS-0402-12.4k: room: POWER 1V8
R46 = RS-0402-10k: room: POWER 1V8
R49 = RS-0402-8.66k: room: POWER 1V5
R52 = RS-0402-10k: room: POWER 1V5
R67 = RS-0402-470r: room: POWER LED
R81-R88 = RS-0402-100r: room: CAMERA CSI
R91 R92 R295 R296 = RS-0402-0r: room: USB HOST 1
R96 = RS-1206-1M: room: USB HOST 1
R108 R109 = RS-0402-0r: room: USB HOST 2
R113 = RS-0402-47k: room: SWITCH USB
R114 R115 = RS-0402-0r: room: USB BOOT
R117 = RS-1206-1M: room: USB BOOT
R118 = RS-0402-10k: room: ARTIK 020
R119 = RS-0402-240r: room: LED RGB
R121 R123 = RS-0402-200r: room: LED RGB
R128 R132 = RS-0402-10k: room: SWO MCU
R133 R135-R138 = RS-0402-49.9k: room: eMMC
R134 = RS-0402-10k: room: eMMC
R139 R140 = RS-0402-0r: room: eMMC
R142-R145 R244 R297 = RS-0402
R146-R148 = RS-0402-330r: room: mPCIE
R153 = RS-0402: room: USB BOOT
R162-R165 = RS-0402-49.9r: room: ETHERNET+HUB USB
R169 = RS-0402: room: ETHERNET+HUB USB
R170 R203 R205-R209 = RS-0402-10k: room: ETHERNET+HUB USB
R171 = RS-0402-0r: room: ETHERNET+HUB USB
R174 R175 R177 R307 R308 = RS-0402-470r: room: ETHERNET+HUB USB
R180 = RS-0402-100k: room: SWITCH-PW-3V3
R182 = RS-1206-100r: room: SWITCH-PW-3V3
R184 = RS-0402: room: HUB-USB
R185-R187 = RS-0603-22r: room: NANO-SIM
R188 = RS-0402-15k: room: NANO-SIM
R200 = RS-0402-10r: room: ETHERNET+HUB USB
R201 = RS-0402-12k: room: ETHERNET+HUB USB
R202 = RS-0402-12.4k: room: ETHERNET+HUB USB
R204 = RS-0402-1M: room: ETHERNET+HUB USB
R210 R294 = RS-0402-1k: room: USB HOST 1
R211 = RS-0402-1k: room: USB HOST 2
R212 = RS-0402-1k: room: ETHERNET+HUB USB
R218-R220 R240 = RS-0402-10k: room: WIFI-BLUETOOTH
R221 R222 R275 = RS-0402: room: WIFI-BLUETOOTH
R224 = RS-0402-0r: room: WIFI-BLUETOOTH
R229 R231 R232 R235 R312 R313 = RS-0402-0r: room: IO-EXPANDER
R230 R233 R234 R236 = RS-0402: room: IO-EXPANDER
R245 = RS-0402-10k: room: HDMI
R246 R248 = RS-0402-10k: room: mPCIE
R247 = RS-0402: room: mPCIE
R249 R250 = RS-0402-0r: room: mPCIE
R252 R263 = RS-0402-15k: room: POWER 5V-3V3
R253 R254 = RS-0402: room: POWER 5V-3V3
R260 = RS-0402-47k: room: POWER 5V-3V3
R262 = RS-0402-10k: room: POWER 5V-3V3
R264 = RS-0402-0r: room: POWER 5V-3V3
R267 = RS-0603: room: SWITCH-PW-LED
R268 = RS-0603: room: SWITCH-PW-5V
R269 = RS-0402-1k: room: SWITCH-PW-LED
R270 = RS-0402-2.2k: room: SWITCH-PW-5V
R271 R273 = RS-0402-10k: room: SWITCH-PW-LED
R272 R274 = RS-0402-10k: room: SWITCH-PW-5V
R282 R283 R288 R289 = RS-0402-2.49k: room: I2C-ISOLATOR
R284-R287 R314 R315 = RS-0402: room: I2C-ISOLATOR
R298 = RS-0402-10k
R309 = RS-0402-0r
R311 = RS-0402-0r: room: I2C-ISOLATOR
R316 R317 = RS-0402-2.2k
RR2 RR3 RR13 RR14 = RR-8X-1506-100r/5%: room: MCU CONNECTOR
RR4 = RR-1206-49.9r: room: SWO MCU
RR15 = RR-8X-1506-10k/5%: room: WIFI-BLUETOOTH
TP1-TP6 TP59-TP63 TP70-TP72 TP84 = TEST POINT SMD 1 MM
TP21 = TEST POINT THT - 2.2MM: room: POWER IN
TP41 = TEST POINT SMD 1 MM: room: eMMC
TP46 TP47 TP49 TP50 TP55-TP58 TP64 = TEST POINT SMD 1 MM: room: mPCIE
TP65-TP69 = TEST POINT SMD 1 MM: room: ETHERNET+HUB USB
TVS1 = TVS-UNI - SMBJ36A - 36V/600W: room: POWER IN
TVS2 = TVS-UNI6x - TPD6E001RSER: room: CAMERA CSI
TVS3 TVS19 = TVS-UNI3x - TPD3E001DRLR - USB: room: USB HOST 1
TVS4 = TVS-UNI3x - TPD3E001DRLR - USB: room: USB HOST 2
TVS5 = TVS-UNI3x - TPD3E001DRLR - USB: room: USB BOOT
TVS6 TVS7 TVS18 = TVS-UNI6x - TPD6E001RSER: room: MCU CONNECTOR
TVS15 = TVS-UNI - SM2T3V3A - 3.6V/200W: room: CONNETTORE HAT
TVS16 = TVS-UNI - SM6T6V8A - 6.8V/600W: room: CONNETTORE HAT
TVS17 = TVS-UNI3x - TPD3E001DRLR - USB: room: mPCIE
U1 = HDMI-TPD12S016RKTR-ESD PROTECT: room: HDMI
U2 = LDO - LD39050PUR - 0.5A/ADJ: room: POWER 2V8
U5 = LDO - LD39050PUR - 0.5A/ADJ: room: POWER 1V8
U6 = LDO - LD39050PUR - 0.5A/ADJ: room: POWER 1V5
U10 U28 = USB-PSW - TPS2051CDBVR: room: USB HOST 1
U12 = USB-PSW - TPS2051CDBVR: room: USB HOST 2
U13 U29 = SWITCH-USB - FSUSB42UMX: room: SWITCH USB
U17 = eMMC - SDINBDG4-8G-I - 8GB: room: eMMC
U19 = EE - 93AA66CT-I-SN - 4Kb: room: ETHERNET+HUB USB
U20 = PSW - 1x - AP22800HB-7: room: SWITCH-PW-3V3
U22 = USB-ETH-HUBx4 - LAN9514I
U23 = RTC - DS1307ZN+: room: RTC
U25 = IO EXP-8b - PCA9554BS3-118: room: IO-EXPANDER
U26 = RF-SW - BGS12SN6E6327XTSA1: room: WIFI-BLUETOOTH
U30 = LED DRIVER-4x - PCA9633DP1
U31 = MIPI-SWITCH - FSA642UMX
U32 U33 = MUX-AN-4x2-1 - 74CBTLV3257BQ
U34 = LTM8024
Y2 = QUARZO-ABM8G-25.000MHz: room: ETHERNET+HUB USB
Y4 = QUARZO-ABS05-32.768KHZ-T: room: RTC
Y5 = OSCILLATORE - NZ2520SB-32.768K: room: WIFI-BLUETOOTH
